# Altium PCB Thermostat_Thorlabs.PCBDOC (part 1 of 2) (continued)
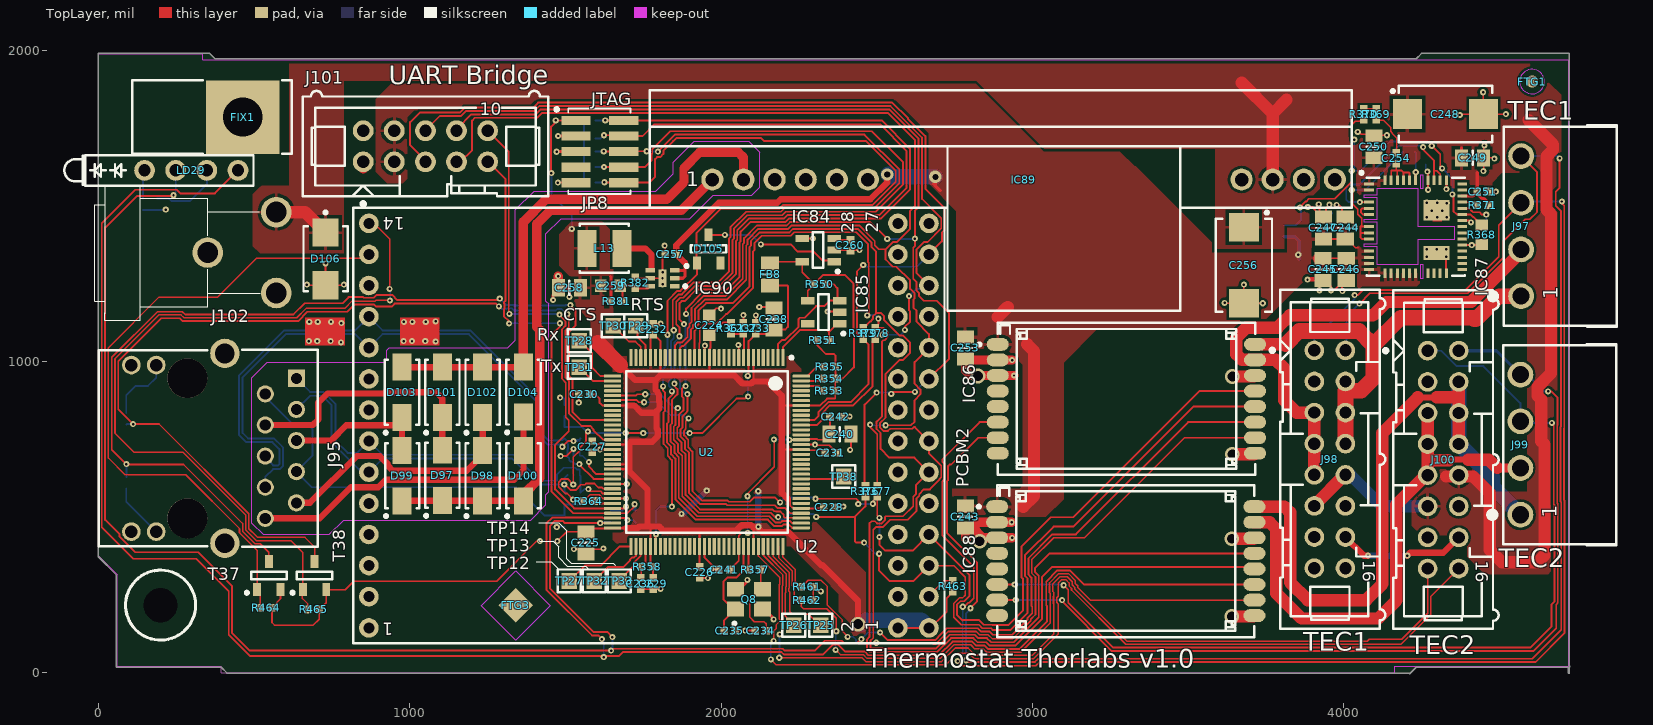
[diagram p0: TopLayer view]
## Footprints (in the part's own frame and the unit in brackets; to place one, negate y for a bottom-side part, rotate by r counter-clockwise, add the part's x,y. Pads: shape width x height; smd on the part's side, far side on the other; paste and mask are expansions set on the pad) (continued)
  silkscreen extent -7.82,-6.6 6.6,7.02, body extent -8,-8 8,8, height 1.08
PLHTD10S-TR-CV [mm] "SMT 1.27 mm dual goldpin"
  rect 0.76x2.4 smd: 1(-5.715,-1.95) 2(-5.715,1.95) 3(-4.445,-1.95) 4(-4.445,1.95) 5(-3.175,-1.95) 6(-3.175,1.95) 7(-1.905,-1.95) 8(-1.905,1.95) 9(-0.635,-1.95) 10(-0.635,1.95)
  silkscreen extent -6.7,-2.58 0.3,2.5, body extent -6.5,-2.15 0.1,2.15, height 4.5
PMB-1 [mm] "PCB fixing"
  rect 6x6 hole 3.2: 1(0,0)
  silkscreen extent -4,-3 9,3, body extent -4.5,-3 13.2,3, height 13
RESC1005X40N [mm] "Chip Resistor, EIA 0402, Metric 1005, Body 1.0x0.5mm, IPC Medium Density"
  rect 0.58x0.62 smd: 1(-0.47,0) 2(0.47,0)
  body extent -0.52,-0.27 0.53,0.28, height 0.4
RESC1608X55N [mm] "Chip Resistor, EIA 0603, Metric 1608, Body 1.6x0.8mm, IPC Medium Density"
  rect 0.9x1 smd: 1(-0.8,0) 2(0.8,0)
  body extent -0.87,-0.47 0.88,0.48, height 0.55
SILVERTEL_AG5300 [mm] "Power-over-Ethernet Plus (POE+) Module, Body L 57.3mm x W 18mm x H 14mm"
  round 1.8 hole 1.1: 1(-25.406,0) 2(-22.866,0) 3(-20.326,0) 4(-17.786,0) 5(-15.246,0) 6(-12.706,0) 7(17.786,0) 8(20.326,0) 9(22.866,0) 10(25.406,0)
  silkscreen extent -30.52,-10.7 26.78,7.3, body extent -30.52,-10.7 26.78,7.3, height 14
SON65P200X200X80-7N-R65X145 [mm] "SON, 0.65mm Pitch, 6 Pin, 2.00mm W X 2.00mm L X 0.80mm H body (W/Thermal Tab 0.65mm X 1.45mm), IPC Medium Density"
  rect 0.75x0.35 smd: 1(-1,0.65) 2(-1,0) 3(-1,-0.65) 4(1,-0.65) 5(1,0) 6(1,0.65)
  rect 0.65x1.45 smd: 7(0,0)
  silkscreen extent -1.97,0.53 -1.73,0.77, body extent -1.05,-1.05 1.05,1.05, height 0.77
SOT95P240X110-3N [mm] "SOT23 3-Leads, Pitch 0.95mm, Body 1.3x2.9mm, IPC Medium Density"
  rect 1.05x0.65 smd: 1(-1.15,0.95) 2(-1.15,-0.95) 3(1.15,0)
  silkscreen extent -1.52,-1.45 0.3,1.92, body extent -1.25,-1.5 1.25,1.5, height 1.1
SOT95P240X130-3N [mm] "SOT23 3-Leads, Pitch 0.95mm - Body 1.3x2.9mm, IPC Medium Density"
  rect 1.05x0.65 smd: 1(-1.15,0.95) 2(-1.15,-0.95) 3(1.15,0)
  silkscreen extent -1.52,-1.45 0.3,1.92, body extent -1.25,-1.5 1.25,1.5, height 1.3
SOT95P280X145-5N [mm] "SOT, 0.95mm pitch; 5 pin, 1.60mm W X 2.90mm L X 1.45mm H body, IPC Medium Density"
  rect 1.1x0.6 smd: 1(-1.3,0.95) 2(-1.3,0) 3(-1.3,-0.95) 4(1.3,-0.95) 5(1.3,0.95)
  silkscreen extent -1.73,-1.45 0.43,1.87, body extent -1.4,-1.5 1.4,1.5, height 1.45
SOTFL50P160X60-6N [mm] "SOTFL (SOT666), 0.50mm, Pitch; 6 Pin, 1.20mm W X 1.60mm L X 0.60mm H Body, IPC Medium Density"
  rect 0.57x0.3 smd: 1(-0.79,0.5) 2(-0.79,0) 3(-0.79,-0.5) 4(0.79,-0.5) 5(0.79,0) 6(0.79,0.5)
  silkscreen extent -1.22,-0.8 0,1.27, body extent -0.85,-0.85 0.85,0.85, height 0.6
SWITCHCRAFT_L712RA [mm] "CONN PWR JACK 2.5X5.5MM SOLDER"
  round 2.5 hole 1.7: 1(-5.6,-3.3) 2(0,-6.6) 3(0,0)
  silkscreen extent -14.81,-8.84 -1.32,2.21, body extent -22,-8.84 1.35,2.18, height 13.9
THORLABS_MTD415T [mm] "THORLABS MTD415T Case, 1.27mm pitch, 16 Pins, 21mm X 12.4mm X 3.10mm H Body"
  oval 1.8x1.05 smd: 1(-10.5,4.445) 2(-10.5,3.175) 3(-10.5,1.905) 4(-10.5,0.635) 5(-10.5,-0.635) 6(-10.5,-1.905) 7(-10.5,-3.175) 8(-10.5,-4.445) 9(10.5,-4.445) 10(10.5,-3.175) 11(10.5,-1.905) 12(10.5,-0.635) 13(10.5,0.635) 14(10.5,1.905) 15(10.5,3.175) 16(10.5,4.445)
  silkscreen extent -12.12,-6.2 10.5,6.2, body extent -10.5,-6.2 10.5,6.2, height 3.1
TP [mm]
  round 1.2 smd: 1(0,0)
TPS127 [mil] "1.27 x  1.27mm SMD Test Point Area"
  rect 50x50 smd paste-50: 1(0,0)
  silkscreen extent -37,-37 37,37
XTAL_NDK_NX3225GA [mm] "4 Pins, SMD Crystal, Body 2.5x3.2mm, NX3225GA Series"
  rect 1.2x1.4 smd: 1(-0.8,1.1) 2(-0.8,-1.1) 3(0.8,-1.1) 4(0.8,1.1)
  silkscreen extent -2.12,1.07 -1.88,1.32, body extent -1.25,-1.6 1.25,1.6, height 0.9

## Part data
C156 C226 C227 C228 C229 C230 C231 C232 C233 C236 C237 C239 C241 C242 C251 C254 C260: library part CC0402_100NF_16V_10%_X5R, "Non-polarised capacitor", Case=0402, Manufacturer=GENERIC, Manufacturer1 ComponentHeight=0.55mm, Manufacturer1 Example=MURATA, Manufacturer1 Part Number=GRM155R61C104KA88D, Tolerance=±10%, Voltage=16V, Author="CERN DEM JLC", Component Type=Standard, HelpURL=\\cern.ch\dfs\Applications\Altium\Datasheets\CC0402_X5R_MURATA_GRM.pdf, Manufacturer Part Number=CC0402_100NF_16V_10%_X5R, Mounted=Yes, Part Description="SMD Multilayer Chip Ceramic Capacitor", Part Number=CC0402_100NF_16V_10%_X5R, Pin Count=2, SMD=Yes, Socket=No, Status=None, TC=X5R
  C156 C226 C227 C228 C229 C230 C231 C232 C233 C236 C237 C239 C241 C242 C260: CreateDate=10.12.2013, LatestRevisionDate=10.12.2013, Sense=No
  C251 C254: CreateDate=2013-12-10, LatestRevisionDate=2013-12-10, Table="Capacitors SMD"
C224: library part CC0603_1UF_25V_10%_X7R, "Non-polarised capacitor", Case=0603, Manufacturer=GENERIC, Manufacturer1 ComponentHeight=0.9mm, Manufacturer1 Example=MURATA, Manufacturer1 Part Number=GRM188R71E105KA12D, Tolerance=±10%, Voltage=25V, Author="CERN DEM JLC", Component Type=Standard, CreateDate=2011-01-18, HelpURL=\\cern.ch\dfs\Applications\Altium\Datasheets\CC0603_X7R_MURATA.pdf, LatestRevisionDate=2011-01-18, Manufacturer Part Number=CC0603_1UF_25V_10%_X7R, Mounted=Yes, Part Description="SMD Multilayer Chip Ceramic Capacitor", Part Number=CC0603_1UF_25V_10%_X7R, Pin Count=2, SMD=Yes, Socket=No, Status=None, Table="Capacitors SMD", TC=X7R
C225 C238 C240 C243 C244 C245 C246 C247 C249 C250 C253 C258: library part CC0805_10UF_16V_10%_X5R, "Non-polarised capacitor", Case=0805, Manufacturer=GENERIC, Manufacturer1 ComponentHeight=1.4mm, Manufacturer1 Example=KEMET, Manufacturer1 Part Number=C0805C106K4PAC, Tolerance=±10%, Voltage=16V, Author="CERN DEM JLC", Component Type=Standard, CreateDate=03.12.2007, HelpURL=\\cern.ch\dfs\Applications\Altium\Datasheets\CC1206_X5R_KEMET.pdf, LatestRevisionDate=03.12.2007, Manufacturer Part Number=CC0805_10UF_16V_10%_X5R, Mounted=Yes, Part Description="SMD Multilayer Chip Ceramic Capacitor", Part Number=CC0805_10UF_16V_10%_X5R, Pin Count=2, Sense=No, SMD=Yes, Socket=No, Status=Preferred, TC=X5R
C234 C235 C255: library part CC0402_12PF_50V_5%_C0G, "Non-polarised capacitor", Case=0402, Manufacturer=GENERIC, Manufacturer1 ComponentHeight=0.55mm, Manufacturer1 Example=KEMET, Manufacturer1 Part Number=C0402C120J5GACTU, Tolerance=±5%, Voltage=50V, Author="CERN DEM JLC", Component Type=Standard, CreateDate=04.10.2016, HelpURL="\\cern.ch\dfs\Applications\Altium\Datasheets\CC0805_C0G_KEMET_(Commercial Grade).pdf", LatestRevisionDate=04.10.2016, Manufacturer Part Number=CC0402_12PF_50V_5%_C0G, Mounted=Yes, Part Description="SMD Multilayer Chip Ceramic Capacitor", Part Number=CC0402_12PF_50V_5%_C0G, Pin Count=2, Sense=No, SMD=Yes, Socket=No, Status=Preferred, TC=C0G/NP0
C248 C256: library part CTE7343-43_220UF_16V_10%, "Polarised capacitor", Case=E, Manufacturer=GENERIC, Manufacturer1 ComponentHeight=4.3mm, Manufacturer1 Example=AVX, Manufacturer1 Part Number=TAJE227K016R, Tolerance=±10%, Voltage=16V, Author="CERN DEM JLC", Component Type=Standard, CreateDate=03.12.2007, HelpURL=\\cern.ch\dfs\Applications\Altium\Datasheets\CTE_AVX_TAJ.pdf, LatestRevisionDate=03.12.2007, Manufacturer Part Number=CTE7343-43_220UF_16V_10%, Mounted=Yes, Part Description="Solid Tantalum Chip Capacitor", Part Number=CTE7343-43_220UF_16V_10%, Pin Count=2, Sense=No, SMD=Yes, Socket=No, Status=Preferred
C252: library part CC0603_1NF_100V_10%_X7R, "Non-polarised capacitor", Case=0603, Manufacturer=GENERIC, Manufacturer1 ComponentHeight=0.87mm, Manufacturer1 Example=KEMET, Manufacturer1 Part Number=C0603C102K1RACTU, Tolerance=±10%, Voltage=100V, Author="CERN DEM JLC", Component Type=Standard, CreateDate=12.12.2013, HelpURL=\\cern.ch\dfs\Applications\Altium\Datasheets\CC0603_X7R_KEMET.pdf, LatestRevisionDate=12.12.2013, Manufacturer Part Number=CC0603_1NF_100V_10%_X7R, Mounted=Yes, Part Description="SMD Multilayer Chip Ceramic Capacitor", Part Number=CC0603_1NF_100V_10%_X7R, Pin Count=2, Sense=No, SMD=Yes, Socket=No, Status=Preferred, TC=X7R
C257: library part CC0402_1UF_16V_10%_X5R, "Non-polarised capacitor", Case=0402, Manufacturer=GENERIC, Manufacturer1 ComponentHeight=0.55mm, Manufacturer1 Example=TDK, Manufacturer1 Part Number=C1005X5R1C105KT, Tolerance=±10%, Voltage=16V, Author="CERN DEM JLC", Component Type=Standard, CreateDate=25.10.2012, HelpURL=\\cern.ch\dfs\Applications\Altium\Datasheets\CC0402_X5R_TDK_C.pdf, LatestRevisionDate=25.10.2012, Manufacturer Part Number=CC0402_1UF_16V_10%_X5R, Mounted=Yes, Part Description="SMD Multilayer Chip Ceramic Capacitor", Part Number=CC0402_1UF_16V_10%_X5R, Pin Count=2, Sense=No, SMD=Yes, Socket=No, Status=Preferred, TC=X5R
C259: library part CC0603_68PF_50V_5%_NP0, "Non-polarised capacitor", Case=0603, Manufacturer=GENERIC, Manufacturer1 ComponentHeight=0.87mm, Manufacturer1 Example=PHYCOMP, Manufacturer1 Part Number=223886715689, Tolerance=±5%, Voltage=50V, Author="CERN DEM JLC", Component Type=Standard, CreateDate=03.12.2007, HelpURL=\\cern.ch\dfs\Applications\Altium\Datasheets\CC0603_NP0_PHYCOMP.pdf, LatestRevisionDate=03.12.2007, Manufacturer Part Number=CC0603_68PF_50V_5%_NP0, Mounted=Yes, Part Description="SMD Multilayer Chip Ceramic Capacitor", Part Number=CC0603_68PF_50V_5%_NP0, Pin Count=2, Sense=No, SMD=Yes, Socket=No, Status=Preferred, TC=C0G/NP0
D67: Manufacturer="ON SEMICONDUCTOR", Voltage=5.5V, Author="CERN DEM JLC", Bonding=No, ComponentHeight=1.75mm, Component Type=Standard, CreateDate=05.12.2012, Device=NUP4114UPXV6T1G, HelpURL=\\cern.ch\dfs\Applications\Altium\Datasheets\NUP4114UPXV6T1G.pdf, LatestRevisionDate=05.12.2012, Manufacturer Part Number=NUP4114UPXV6T1G, Mounted=Yes, PackageDescription="SOTFL (SOT666, SOT563,), 0.50mm, Pitch; 6 Pin, 1.20mm W X 1.60mm L X 0.60mm H Body, IPC Medium Density", Part Description="ESD Protection Diodes Array (8kV) with Low Clamping Voltage", Part Number=NUP4114UPXV6T1G, Pin Count=8, PressFit=No, Sense=No, SMD=Yes, Socket=No
D97 D98 D99 D100 D101 D102 D103 D104: "Schottky Diode", Case=DO-214AC, Manufacturer="VISHAY GENERAL SEMICONDUCTOR", Power=1A, Voltage=60V, Author="CERN DEM JLC", Bonding=No, ComponentHeight=2.29mm, Component Type=Standard, CreateDate=15.07.2008, Device=SS16, HelpURL=\\cern.ch\dfs\Applications\Altium\Datasheets\SS16.pdf, LatestRevisionDate=23.08.2010, Manufacturer Part Number=SS16, Mounted=Yes, PackageDescription="DO-214-AC Molded Diode, Body 5.1x2.7mm, IPC Medium Density", Part Description="Surface Mount Schottky Barrier Rectifier", Part Number=SS16, Pin Count=2, PressFit=No, Sense=No, SMD=Yes, Socket=No
D105: "Dual Common Cathode Schottky Diodes", Case=SOT23-3, Manufacturer="FAIRCHILD SEMICONDUCTOR", Power=200mA, Voltage=30V, Author="CERN DEM JLC", Bonding=No, ComponentHeight=1.30mm, Component Type=Standard, CreateDate=17.09.2009, Device=BAT54C, HelpURL=\\cern.ch\dfs\Applications\Altium\Datasheets\BAT54C.pdf, LatestRevisionDate=27.05.2010, Manufacturer Part Number=BAT54C, Mounted=Yes, PackageDescription="SOT23 3-Leads, Pitch 0.95mm - Body 1.3x2.9mm, IPC Medium Density", Part Description="Dual Common Cathode Small Signal Schottky Diode", Part Number=BAT54C, Pin Count=3, PressFit=No, Sense=No, SMD=Yes, Socket=No
D106: "Zener Diode", Case=DO-214AA, Manufacturer="FAIRCHILD SEMICONDUCTOR", Power=600W, Voltage=15V, Author="CERN DEM JLC", Bonding=No, ComponentHeight=2.65mm, Component Type=Standard, CreateDate=08.12.2008, Device=SMBJ15A, HelpURL=\\cern.ch\dfs\Applications\Altium\Datasheets\SMBJ.pdf, LatestRevisionDate=19.12.2011, Manufacturer Part Number=SMBJ15A, Mounted=Yes, PackageDescription="DO-214-AA/SMB Diode, Molded Body; 5.34mm L X 3.625mm W X 2.65mm H, IPC Medium Density", Part Description="Uni-Directional Transient Voltage Suppressor Diode", Part Number=SMBJ15A, Pin Count=2, PressFit=No, Sense=No, SMD=Yes, Socket=No
FB8: library part IND0805_MURATA_BLM21PG221SN1D, "Inductor", Case=0805, Manufacturer=MURATA, Manufacturer Part Number=BLM21PG221SN1D, Power=2A, Resistance=0.05R, Tolerance=±25%, Author="CERN DEM JLC", ComponentHeight=1.05mm, Component Type=Standard, CreateDate=2010-01-25, HelpURL=\\cern.ch\dfs\Applications\Altium\Datasheets\IND0402_MURATA_BLM21P.pdf, LatestRevisionDate=2010-01-25, Mounted=Yes, Part Description="SMD EMIFIL Suppression Chip Ferrite Bead", Part Number=IND0805_MURATA_BLM21PG221SN1D, Pin Count=2, SMD=Yes, Socket=No, Status=None, Table="Inductors SMD"
FIX1: library part MECH_PCB_FIX_RA, "right angle PCB fixing"
FTG1: library part FIDUCIAL_TARGET_C100-200, "Fiducial Target", Author="CERN DEM JLC", ComponentHeight=0mm, Component Type="Standard (No BOM)", CreateDate=09.02.2010, Family=Fiducial, HelpURL=Undefined, LatestRevisionDate=04.04.2012, Mounted=No, PackageDescription="Round Fiducial Target, Top Layer, 1.0mm, Top Solder 2.0mm, Keepout =2.0mm", Part Description="Round Fiducial Target, Top Layer, 1.0mm, Top Solder 2.0mm, Keepout =2.0mm", Part Number=FIDUCIAL_TARGET_C100-200, Pin Count=1, Sense=No, SMD=Yes, Socket=No, Status=None
FTG2 FTG4: library part FIDUCIAL_TARGET_S100-200, "Fiducial Target", Author="CERN DEM JLC", ComponentHeight=0mm, Component Type="Standard (No BOM)", CreateDate=09.02.2010, Family=Fiducial, HelpURL=Undefined, LatestRevisionDate=04.04.2012, Mounted=No, PackageDescription="Square Fiducial Target, Top Layer, 1.0mm, Top Solder 2.0mm, Keepout =2.0mm", Part Description="Square Fiducial Target, Top Layer, 1.0mm, Top Solder 2.0mm, Keepout =2.0mm", Part Number=FIDUCIAL_TARGET_S100-200, Pin Count=1, Sense=No, SMD=Yes, Socket=No, Status=None
FTG3: library part FIDUCIAL_TARGET_S200-400, "Fiducial Target", Author="CERN DEM JLC", ComponentHeight=0mm, Component Type="Standard (No BOM)", CreateDate=02.06.2008, Family=Fiducial, HelpURL=Undefined, LatestRevisionDate=04.04.2012, Mounted=No, PackageDescription="Square Fiducial Target, Top Layer, 2.0mm, Top Solder 4.0mm, Keepout =4.0mm", Part Description="Square Fiducial Target, Top Layer, 2.0mm, Top Solder 4.0mm, Keepout =4.0mm", Part Number=FIDUCIAL_TARGET_S200-400, Pin Count=1, Sense=No, SMD=Yes, Socket=No, Status=None
IC84: "Free Delay Time Setting  CMOS Voltage Detector", Case=SOT23-5, Manufacturer=Rohm, Author=GK, Bonding=No, ComponentHeight=1.45mm, Component Type=Standard, CreateDate=02.03.2015, Device=BD5230FVE-TR, HelpURL=\\cern.ch\dfs\Applications\Altium\Datasheets\TPS3808G50DBVT.pdf, LatestRevisionDate=02.03.2015, Manufacturer Part Number=BD5230FVE-TR, Mounted=Yes, PackageDescription="SOT23, 5-Leads, Body 1.6x3.0mm, Pitch 0.95mm, IPC Medium Density", Part Description="5V, Low Quiescent Current, Programmable-Delay Supervisory Circuit", Part Number=BD5230FVE-TR, Pin Count=5, PressFit=No, Sense=No, SMD=Yes, Socket=No
IC85: "1.7V-5.5V, 2K I2C Serial EEPROM With EUI-48 Node Identity", Case=SOT23-5, Manufacturer="MICROCHIP TECHNOLOGY", Author="CERN DEM MR", Bonding=No, ComponentHeight=1.45mm, Component Type=Standard, CreateDate=31.03.2016, Device=24AA02E48T-I/OT, HelpURL=\\cern.ch\dfs\Applications\Altium\Datasheets\24AA02E48T-I-OT.pdf, LatestRevisionDate=31.03.2016, Manufacturer Part Number=24AA02E48T-I/OT, Mounted=Yes, PackageDescription="SOT, 0.95mm pitch; 5 pin, 1.60mm W X 2.90mm L X 1.45mm H body, IPC Medium Density", Part Description="1.7V-5.5V, 2K I2C Serial EEPROM With EUI-48 Node Identity", Part Number=24AA02E48T-I/OT, Pin Count=5, PressFit=No, Sense=No, SMD=Yes, Socket=No
IC86 IC88: "Miniature Temperature Controller, ±1.5 A, Compatible with 10 kO Thermistor", Manufacturer=THORLABS, Author="CERN DEM MR", Bonding=No, ComponentHeight=3.1mm, ComponentLink1Description="Package Drawing", ComponentLink1URL=\\cern.ch\dfs\Applications\Altium\Datasheets\MTD415T_Package.pdf, Component Type=Standard, CreateDate=16.02.2018, Device=MTD415T, HelpURL=\\cern.ch\dfs\Applications\Altium\Datasheets\MTD415T.pdf, LatestRevisionDate=16.02.2018, Manufacturer Part Number=MTD415T, Mounted=Yes, PackageDescription="THORLABS MTD415T Case, 1.27mm pitch, 16 Pins, 21mm X 12.4mm X 3.10mm H Body", Part Description="Miniature Temperature Controller, ±1.5 A, Compatible with 10 kO Thermistor", Part Number=MTD415T, Pin Count=16, PressFit=No, Sense=No, SMD=Yes, Socket=No
IC87: "0.8V to 85% PVIN (4.75-19V), 6A Synchronous Step-Down Regulator Module", Manufacturer="MICROCHIP TECHNOLOGY", Author="CERN DEM JMW", Bonding=No, ComponentHeight=3mm, Component Type=Standard, CreateDate=15.08.2016, Device=MIC45116-1YMP, HelpURL=\\cern.ch\dfs\Applications\Altium\Datasheets\MIC45116-1YMP.pdf, LatestRevisionDate=15.08.2016, Manufacturer Part Number=MIC45116-1YMP, Mounted=Yes, PackageDescription="MICROCHIP_H3QFN88-52LD-PL-3, 0.50mm Pitch, Square, 52 Pin, 8mm L X 8mm W X 3mm H Body", Part Description="0.8V to 85% PVIN (4.75-19V), 6A Synchronous Step-Down Regulator Module", Part Number=MIC45116-1YMP, Pin Count=53, PressFit=No, Sense=No, SMD=Yes, Socket=No
IC89: "Power-over-Ethernet Plus (POE+) Module", Manufacturer=SILVERTEL, Author="CERN DEM JLC", Bonding=No, ComponentHeight=14mm, Component Type=Standard, CreateDate=20.03.2018, Device=AG5300, HelpURL=\\cern.ch\dfs\Applications\Altium\Datasheets\AG5300.pdf, LatestRevisionDate=20.03.2018, Manufacturer Part Number=AG5300, Mounted=Yes, PackageDescription="Power-over-Ethernet Plus (POE+) Module, Body L 57.3mm x W 18mm x H 14mm", Part Description="12V 30W Power-over-Ethernet Plus (POE+)", Part Number=AG5300, Pin Count=10, PressFit=No, Sense=No, SMD=No, Socket=No
IC90: "0V to 6V Input, 1A, 1.5MHz, Step-Down DC-DC Converter", Case=SON6, Manufacturer="DIODES INCORPORATED", Author="CERN DEM MR", Bonding=No, ComponentHeight=0.8mm, Component Type=Standard, CreateDate=15.02.2018, Device=AUR9705AGD, HelpURL=\\cern.ch\dfs\Applications\Altium\Datasheets\AUR9705AGD.pdf, LatestRevisionDate=15.02.2018, Manufacturer Part Number=AUR9705AGD, Mounted=Yes, PackageDescription="SON, 0.65mm Pitch, 6 Pin, 2.00mm W X 2.00mm L X 0.80mm H body (W/Thermal Tab 0.65mm X 1.45mm), IPC Medium Density", Part Description="0V to 6V Input, 1A, 1.5MHz, Step-Down DC-DC Converter", Part Number=AUR9705AGD, Pin Count=7, PressFit=No, Sense=No, SMD=Yes, Socket=No
J95: "MagJack 10/100BaseT, PoE+, 1X1, OG/Y, -40 to 85*C, Tab Up, RoHS", Manufacturer=Abracon, Manufacturer Part Number=ARJM11C7-114-BA-EW2, Author=GK, ComponentHeight=13.61mm, Component Type=Standard, CreateDate=05.11.2012, Family=RJ45, HelpURL=\\cern.ch\dfs\Applications\Altium\Datasheets\BELFUSE_0826-1X1T-GJ-F.pdf, LatestRevisionDate=05.11.2012, Mounted=Yes, Part Description="1 Port, Orange Green/Yellow LEDs, RJ45 10/100BaseT, PoE, Ethernet MagJack® Connector Module", Part Number=ARJM11C7-114-BA-EW2, Pin Count=18, PressFit=No, Sense=No, SMD=No, Socket=No, Status=None
J97 J99: library part FCI_20020110-D041A01LF, "Connector 4 Male", Manufacturer=FCI, Manufacturer Part Number=20020110-D041A01LF, Author="CERN DEM JLC", ComponentHeight=7.5mm, Component Type=Standard, CreateDate=08.04.2014, HelpURL=\\cern.ch\dfs\Applications\Altium\Datasheets\FCI_20020110-D041A01LF.pdf, LatestRevisionDate=08.04.2014, Mounted=Yes, Part Description="10A, 300V, 4 Positions, Pitch 3.81mm, Right Angled Terminal Block", Part Number=FCI_20020110-D041A01LF, Pin Count=4, PressFit=No, Sense=No, SMD=No, Socket=No, Status=None
J98 J100: library part 3M_N2516-6002RB, "Connector 16 Male", Manufacturer=3M, Manufacturer Part Number=N2516-6002RB, Author="CERN DEM JLC", ComponentHeight=10.03mm, Component Type=Standard, CreateDate=11.02.2009, Family="Header 16", HelpURL=\\cern.ch\dfs\Applications\Altium\Datasheets\3M_N2516-6002RB.pdf, LatestRevisionDate=11.08.2009, Mounted=Yes, Part Description="16 Contacts - Straight .100'' x .100'' Low Profile Four-Wall Header, 2500 Series", Part Number=3M_N2516-6002RB, Pin Count=16, PressFit=No, Sense=No, SMD=No, Socket=No, Status=None
J101: library part 3M_N2510-6002RB, "Connector 10 Male", Manufacturer=3M, Manufacturer Part Number=N2510-6002RB, Author="CERN DEM JLC", ComponentHeight=10.03mm, Component Type=Standard, CreateDate=11.02.2009, Family="Header 10", HelpURL=\\cern.ch\dfs\Applications\Altium\Datasheets\3M_N2510-6002RB.pdf, LatestRevisionDate=11.08.2009, Mounted=Yes, Part Description="10 Contacts - Straight .100'' x .100'' Low Profile Four-Wall Header, 2500 Series", Part Number=3M_N2510-6002RB, Pin Count=10, PressFit=No, Sense=No, SMD=No, Socket=No, Status=None
J102: "24V /3. 5A, 2.1mm Diameter Pin, SMD DC Power Supply Connector With  Break Contact", Manufacturer=SWITCHCRAFT, Manufacturer Part Number=712RA, Part Number=SWITCHCRAFT_712RA, Author=GK, ComponentHeight=11mm, Component Type=Standard, CreateDate=15.02.2011, Family=Jack, HelpURL=\\cern.ch\dfs\Applications\Altium\Datasheets\LUMBERG_161314.pdf, LatestRevisionDate=20.07.2011, Mounted=Yes, Part Description="12V/5A, 2.5mm Diameter Pin, THT DC Power Supply Connector With  Break Contact", Pin Count=3, PressFit=No, Sense=No, SMD=No, Socket=No, Status=None
JP8: library part "CON_2x5 1.27 SMT Male", "1.27 mm dual row goldpin (Maritex)"
L13: library part IND_2.2UH_20%_MURATA_LQH44PN2R2MP0L, "Inductor With Core", Case=4040, Manufacturer=MURATA, Manufacturer Part Number=LQH44PN2R2MP0L, Power=1.8A, Resistance=0R049, Tolerance=±20%, Author="CERN DEM JLC", ComponentHeight=1.8mm, Component Type=Standard, CreateDate=14.02.2018, HelpURL=\\cern.ch\dfs\Applications\Altium\Datasheets\IND_MURATA_LQH44PN_P0.pdf, LatestRevisionDate=14.02.2018, Mounted=Yes, Part Description="Wire Wound Ferrite Inductor for Power Lines", Part Number=IND_2.2UH_20%_MURATA_LQH44PN2R2MP0L, Pin Count=2, Sense=No, SMD=Yes, Socket=No, Status=None
LD29: library part LED_DIALIGHT_571-0122F, "LED x2 Green 1C2A-BOT_3C4A-TOP", Manufacturer=DIALIGHT, Manufacturer Part Number=571-0122F, Author="CERN DEM JLC", Bonding=No, Color=Green/Green, ComponentHeight=8.6mm, Component Type=Standard, CreateDate=09.11.2009, HelpURL=\\cern.ch\dfs\Applications\Altium\Datasheets\LED_DIALIGHT_571-0122F.pdf, LatestRevisionDate=17.03.2010, Mounted=Yes, PackageDescription="2x 2mm Red LED PCB Edge Mounting (Without positioning pins) DIALIGHT 571 Serie", Part Description="Dual 2mm Green LEDs CBI® Circuit Board Indicator (Without positioning pins)", Part Number=LED_DIALIGHT_571-0122F, Pin Count=4, PressFit=No, Sense=No, SMD=No, Socket=No
PCBM2: library part PCBM_WIZNET_WIZ140SR_a, "Quad Serial to Ethernet Module Based on W5300 & Cortex-M3", Manufacturer=WIZNET, Author="CERN DEM JLC", Bonding=No, ComponentHeight=11.33mm, Component Type=Standard, CreateDate=26.03.2018, Device=WIZ140SR, HelpURL=\\cern.ch\dfs\Applications\Altium\Datasheets\PCBM_WIZNET_WIZ140SR.pdf, LatestRevisionDate=26.03.2018, Manufacturer Part Number=WIZ140SR, Mounted=Yes, PackageDescription="Quad Serial to Ethernet Module Body 48.26mm x 35.56mm", Part Description="Quad Serial to Ethernet Module Based on W5300 & Cortex-M3", Part Number=PCBM_WIZNET_WIZ140SR_a, Pin Count=42, PressFit=No, Sense=No, SMD=No, Socket=No
Q8: library part XTAL_25MHZ_NDK_NX3225GA, "Crystal 4 pins 1=XTAL Control 2=GND3=XTAL 4=GND", Manufacturer=NDK, Manufacturer Part Number=NX3225GA-25.000M-STD-CRG, Author="CERN DEM MR", Bonding=No, ComponentHeight=0.9mm, Component Type=Standard, CreateDate=15.02.2018, HelpURL=\\cern.ch\dfs\Applications\Altium\Datasheets\XTAL_NDK_NX3225GA.pdf, LatestRevisionDate=15.02.2018, Mounted=Yes, PackageDescription="4 Pins, SMD Crystal, Body 2.5x3.2mm, NX3225GA Series", Part Description="Tolerance: ± 20ppm, Stability: ± 30ppm, -40°C to +85°C, 8pF, 50 Ohms ESR, Automotive Quartz Crystal, NX3225GA Series", Part Number=XTAL_25MHZ_NDK_NX3225GA, Pin Count=4, PressFit=No, Sense=No, SMD=Yes, Socket=No
R346 R347 R348 R349 R358 R361: library part R0402_49R9_1%_0.0625W_100PPM, "Resistor - 1%", Case=0402, Manufacturer=GENERIC, Manufacturer1 ComponentHeight=0.4mm, Manufacturer1 Example="YAGEO PHYCOMP", Manufacturer1 Part Number="232270674999L or RC0402FR-0749R9L", Power=0.0625W, Tolerance=±1%, Author="CERN DEM JLC", Component Type=Standard, CreateDate=2012-10-24, HelpURL=\\cern.ch\dfs\Applications\Altium\Datasheets\R0402_Phycomp_RC0402.pdf, LatestRevisionDate=2012-10-24, Manufacturer Part Number=R0402_49R9_1%_0.0625W_100PPM, Mounted=Yes, Part Description="General Purpose Thick Film Chip Resistor", Part Number=R0402_49R9_1%_0.0625W_100PPM, Pin Count=2, SMD=Yes, Socket=No, Status="Not recommended", Table="Resistors SMD", TC=±100ppm/°C
R350 R351 R357 R374 R375 R376 R377 R378 R379: library part R0402_2K_1%_0.0625W_100PPM, "Resistor - 1%", Case=0402, Manufacturer=GENERIC, Manufacturer1 ComponentHeight=0.4mm, Manufacturer1 Example="YAGEO PHYCOMP", Manufacturer1 Part Number=232270672002L, Power=0.0625W, Tolerance=±1%, Author="CERN DEM JLC", Component Type=Standard, CreateDate=03.12.2007, HelpURL=\\cern.ch\dfs\Applications\Altium\Datasheets\R0402_Phycomp_RC0402.pdf, LatestRevisionDate=17.10.2012, Manufacturer Part Number=R0402_2K_1%_0.0625W_100PPM, Mounted=Yes, Part Description="General Purpose Thick Film Chip Resistor", Part Number=R0402_2K_1%_0.0625W_100PPM, Pin Count=2, PressFit=No, Sense=No, SMD=Yes, Socket=No, Status="Not Recommended", TC=±100ppm/°C
R352 R356: library part R0402_330R_1%_0.0625W_100PPM, "Resistor - 1%", Case=0402, Manufacturer=GENERIC, Manufacturer1 ComponentHeight=0.4mm, Manufacturer1 Example="YAGEO PHYCOMP", Manufacturer1 Part Number=232270673301L, Power=0.0625W, Tolerance=±1%, Author="CERN DEM JLC", Component Type=Standard, CreateDate=03.12.2007, HelpURL=\\cern.ch\dfs\Applications\Altium\Datasheets\R0402_Phycomp_RC0402.pdf, LatestRevisionDate=17.10.2012, Manufacturer Part Number=R0402_330R_1%_0.0625W_100PPM, Mounted=Yes, Part Description="General Purpose Thick Film Chip Resistor", Part Number=R0402_330R_1%_0.0625W_100PPM, Pin Count=2, PressFit=No, Sense=No, SMD=Yes, Socket=No, Status="Not Recommended", TC=±100ppm/°C
R353 R354 R355 R359 R360 R362 R363 R365 R369 R370: library part R0402_10K_1%_0.0625W_100PPM, "Resistor - 1%", Case=0402, Manufacturer=GENERIC, Manufacturer1 ComponentHeight=0.4mm, Manufacturer1 Example="YAGEO PHYCOMP", Manufacturer1 Part Number=232270671003L, Power=0.0625W, Tolerance=±1%, Author="CERN DEM JLC", Component Type=Standard, CreateDate=2007-12-03, HelpURL=\\cern.ch\dfs\Applications\Altium\Datasheets\R0402_Phycomp_RC0402.pdf, LatestRevisionDate=2012-10-17, Manufacturer Part Number=R0402_10K_1%_0.0625W_100PPM, Mounted=Yes, Part Description="General Purpose Thick Film Chip Resistor", Part Number=R0402_10K_1%_0.0625W_100PPM, Pin Count=2, SMD=Yes, Socket=No, Status="Not recommended", Table="Resistors SMD", TC=±100ppm/°C
R364: library part R0402_4K87_1%_0.0625W_100PPM, "Resistor - 1%", Case=0402, Manufacturer=GENERIC, Manufacturer1 ComponentHeight=0.4mm, Manufacturer1 Example=VISHAY, Manufacturer1 Part Number=CRCW04024K87FKED, Power=0.0625W, Tolerance=±1%, Author="CERN DEM JLC", Component Type=Standard, CreateDate=04.11.2014, HelpURL="\\cern.ch\dfs\Applications\Altium\Datasheets\R0402_VISHAY_CRCW e3.pdf", LatestRevisionDate=04.11.2014, Manufacturer Part Number=R0402_4K87_1%_0.0625W_100PPM, Mounted=Yes, Part Description="General Purpose Thick Film Chip Resistor", Part Number=R0402_4K87_1%_0.0625W_100PPM, Pin Count=2, PressFit=No, Sense=No, SMD=Yes, Socket=No, Status=None, TC=±100ppm/°C
R366 R371 R372 R373 R461 R462: library part R0402_1K6_1%_0.0625W_100PPM, "Resistor - 1%", Case=0402, Manufacturer=GENERIC, Manufacturer1 ComponentHeight=0.4mm, Manufacturer1 Example="YAGEO PHYCOMP", Manufacturer1 Part Number=232270671602L, Power=0.0625W, Tolerance=±1%, Author="CERN DEM JLC", Component Type=Standard, CreateDate=03.12.2007, HelpURL=\\cern.ch\dfs\Applications\Altium\Datasheets\R0402_Phycomp_RC0402.pdf, LatestRevisionDate=17.10.2012, Manufacturer Part Number=R0402_1K6_1%_0.0625W_100PPM, Mounted=Yes, Part Description="General Purpose Thick Film Chip Resistor", Part Number=R0402_1K6_1%_0.0625W_100PPM, Pin Count=2, PressFit=No, Sense=No, SMD=Yes, Socket=No, Status="Not Recommended", TC=±100ppm/°C
R367: library part R0402_6K8_1%_0.0625W_100PPM, "Resistor - 1%", Case=0402, Manufacturer=GENERIC, Manufacturer1 ComponentHeight=0.4mm, Manufacturer1 Example="YAGEO PHYCOMP", Manufacturer1 Part Number=232270676802L, Power=0.0625W, Tolerance=±1%, Author="CERN DEM JLC", Component Type=Standard, CreateDate=03.12.2007, HelpURL=\\cern.ch\dfs\Applications\Altium\Datasheets\R0402_Phycomp_RC0402.pdf, LatestRevisionDate=17.10.2012, Manufacturer Part Number=R0402_6K8_1%_0.0625W_100PPM, Mounted=Yes, Part Description="General Purpose Thick Film Chip Resistor", Part Number=R0402_6K8_1%_0.0625W_100PPM, Pin Count=2, PressFit=No, Sense=No, SMD=Yes, Socket=No, Status="Not Recommended", TC=±100ppm/°C
R368: library part R0603_1K3_1%_0.1W_100PPM, "Resistor - 1%", Case=0603, Manufacturer=GENERIC, Manufacturer1 ComponentHeight=0.55mm, Manufacturer1 Example="NIC COMPONENT", Manufacturer1 Part Number=NRC06F1301TRF, Power=0.1W, Tolerance=±1%, Author="CERN DEM JLC", Component Type=Standard, CreateDate=03.12.2007, HelpURL=\\cern.ch\dfs\Applications\Altium\Datasheets\R0603_NIC_NRC.pdf, LatestRevisionDate=13.03.2008, Manufacturer Part Number=R0603_1K3_1%_0.1W_100PPM, Mounted=Yes, Part Description="General Purpose Thick Film Chip Resistor", Part Number=R0603_1K3_1%_0.1W_100PPM, Pin Count=2, PressFit=No, Sense=No, SMD=Yes, Socket=No, Status=Preferred, TC=±100ppm/°C
R381: library part R0402_100K_1%_0.0625W_100PPM, "Resistor - 1%", Case=0402, Manufacturer=GENERIC, Manufacturer1 ComponentHeight=0.4mm, Manufacturer1 Example="YAGEO PHYCOMP", Manufacturer1 Part Number=232270671004L, Power=0.0625W, Tolerance=±1%, Author="CERN DEM JLC", Component Type=Standard, CreateDate=03.12.2007, HelpURL=\\cern.ch\dfs\Applications\Altium\Datasheets\R0402_Phycomp_RC0402.pdf, LatestRevisionDate=17.10.2012, Manufacturer Part Number=R0402_100K_1%_0.0625W_100PPM, Mounted=Yes, Part Description="General Purpose Thick Film Chip Resistor", Part Number=R0402_100K_1%_0.0625W_100PPM, Pin Count=2, PressFit=No, Sense=No, SMD=Yes, Socket=No, Status="Not Recommended", TC=±100ppm/°C
R382 R463 R464 R465: library part R0402_22K_1%_0.0625W_100PPM, "Resistor - 1%", Case=0402, Manufacturer=GENERIC, Manufacturer1 ComponentHeight=0.4mm, Manufacturer1 Example="YAGEO PHYCOMP", Manufacturer1 Part Number=232270672203L, Power=0.0625W, Tolerance=±1%, Author="CERN DEM JLC", Component Type=Standard, CreateDate=03.12.2007, HelpURL=\\cern.ch\dfs\Applications\Altium\Datasheets\R0402_Phycomp_RC0402.pdf, LatestRevisionDate=17.10.2012, Manufacturer Part Number=R0402_22K_1%_0.0625W_100PPM, Mounted=Yes, Part Description="General Purpose Thick Film Chip Resistor", Part Number=R0402_22K_1%_0.0625W_100PPM, Pin Count=2, PressFit=No, Sense=No, SMD=Yes, Socket=No, Status="Not Recommended", TC=±100ppm/°C
T37 T38: "P-CHANNEL MOSFET WITH DIODE", Case=SOT23-3, Manufacturer="ON SEMICONDUCTOR", Author="CERN DEM JLC", Bonding=No, ComponentHeight=1.1mm, Component Type=Standard, CreateDate=29.03.2012, Device=BSS84LT1G, HelpURL=\\cern.ch\dfs\Applications\Altium\Datasheets\BSS84LT1G.pdf, LatestRevisionDate=29.03.2012, Manufacturer Part Number=BSS84LT1G, Mounted=Yes, PackageDescription="SOT23 3-Leads, Pitch 0.95mm - Body 1.4x3mm, IPC Medium Density", Part Description="50V 130mA Single P-Channel Power MOSFET", Part Number=BSS84LT1G, Pin Count=3, PressFit=No, Sense=No, SMD=Yes, Socket=No
TP25 TP26 TP27 TP28 TP29 TP30 TP31 TP32 TP33 TP38: library part SMD_PAD_1.27X1.27MM, Author="CERN DEM JLC", ComponentHeight=0mm, Component Type="Standard (No BOM)", CreateDate=12.01.2008, Family="Test Point", HelpURL=Undefined, LatestRevisionDate=12.01.2008, Mounted=No, PackageDescription="1.27mm x 1.27mm PCB Copper Area (SMD Test Point)", Part Description="1.27mm x 1.27mm PCB Copper Area (SMD Test Point)", Part Number=SMD_PAD_1.27X1.27MM, Pin Count=1, Sense=No, SMD=Yes, Socket=No, Status=None
TP34 TP35: "Testpoint"
U2: library part CMP-0945-00009-2, "Tiva C Series Microcontroller, 1024 KB Flash, 256 KB SRAM, 12 Bit, 20 Channels, -40 to 105 degC, 128-Pin TQFP (PDT), Green (RoHS & no Sb/Br), Tape and Reel", Manufacturer="Texas Instruments", Temperature Range="-40 to 105 degC", ADC Channels=20, ADC Resolution="12 Bits", ComponentLink1Description="Manufacturer URL", ComponentLink1URL=http://www.ti.com/, ComponentLink2Description=Datasheet, ComponentLink2URL=http://www.ti.com/lit/ds/symlink/tm4c1294ncpdt.pdf, ComponentLink3Description="Package Specification", ComponentLink3URL=http://www.ti.com/lit/ml/mpqf013/mpqf013.pdf, CPU="ARM Cortex-M4", DatasheetVersion=15863.2743, Eco-Plan="Green (RoHS & no Sb/Br)", Flash="1024 KB", Max Speed="120 MHz", Mounting Technology="Surface Mount", PackageDescription="128-Pin Thin Quad Flat Package, Body 14 x 14 mm, Pitch 0.4 mm", PackageReference=PDT0128A, PackageVersion=4087726/A, Packing="Tape and Reel", PartNumber=TM4C1294NCPDTT3R, SRAM="256 KB"

## Free pads (board coordinates)
  round 50 hole 110: 2(199.06,217)

## Via types
v1: diameter 19.68, hole 7.87, TopLayer to BottomLayer, tented both sides, 241 vias
v2: diameter 47.24, hole 31.5, TopLayer to BottomLayer, tented both sides, 7 vias
v3: diameter 39.37, hole 19.68, TopLayer to BottomLayer, tented both sides, 2 vias

## Nets (pads, with @x,y where several pads share a name; then routed paths per layer and width w, separated by ;. In a path a pad name is that pad's centre, name@x,y a point inside that pad or via, vN(x,y) a via of type N, cw(c..) or ccw(c..) an arc to the next point about the centre after c; other vN are vias at no path point)
ACTLEDn: PCBM2.J2-14 R465.1 T38.1 | length 2501.1
  TopLayer w5: T38.1@655,268 655,238 672.5,220.5 R465.1@672.5,203 ; T38.1@656.6,266.72 656.6,385.4 617.38,424.62 506.23,424.62 472.66,458.2 472.66,506.48 270.14,709 113,709 52.5,769.5 52.5,1008.5 193.5,1149.5 265,1149.5 274,1140.5 636.61,1140.5 666.61,1170.5 790.5,1170.5 814.1,1194.1 888.9,1194.1 891.3,1196.5 935.5,1196.5 v1(936,1196) ; PCBM2.J2-14@866,1446 883,1446 936,1393 935,1392 v1(935,1233)
  BottomLayer w5: v1(935,1233) 935,1239 937,1241 937,1194 936,1195 v1(936,1196)
AVDDT_PHY: C156.1 C233.2 C238.1 C239.2 D67.5 FB8.2 J95.4 J95.9 R346.2 R347.2 R348.1 R349.1 U2.8 | length 2962
  TopLayer w6: v1(1525,556) 1505.25,575.75 1499.89,575.75 1478.44,597.2 1478.44,611.99 1488.89,622.44 1507.38,622.44 v1(1525.23,604.6) 1525.23,692.99 1547.6,715.37 1547.6,723.89 1565.8,742.08 1565.8,768.8 v1(1572,775) ; v1(1694,770) v1(1750,770) ; v1(1899,770) 1939,770 2050,881 2078,881 2087,890 v1(2087,887) ; v1(2086,953.84) 2088.54,956.38 U2.8@2088.54,1012.22 2088.54,1065.21 C233.2@2112,1088.68 2158.11,1088.68 C238.1@2170,1100.57 2172.2,1102.77 2206.77,1102.77 2215,1111 2215,1243.51 2214.4,1244.11 FB8.2@2157.71,1244.11
  BottomLayer w6: J95.9@535.43,895.87 535.43,886.57 626,796 674,796 687,783 687,697.43 J95.4@635.43,645.87 685.43,595.87 1342.13,595.87 1433.46,504.54 C156.1@1496.69,504.54 R346.2@1496.69,540.96 R347.2@1548.25,540.96 1533.22,556 v1(1525,556) ; C239.2@1496.69,825.21 R348.1@1496.69,789.98 R349.1@1548.25,789.98 1552.39,789.98 1568.85,773.51 1570.34,775 v1(1572,775) 1576.83,770.17 1587,770.17 1587.17,770 v1(1694,770) ; v1(1525.23,604.6) 1525.23,636.04 D67.5@1526.21,635.06 ; v1(1750,770) v1(1899,770) ; v1(2086,953.84) 2086,888 v1(2087,887)
CTS: TP30.1 U2.30 | length 152
  TopLayer w6: TP30.1@1653,1115 1703.85,1064.15 1724.85,1064.15 1742.08,1046.92 U2.30@1742.08,1012.22
EN0: IC86.10 R461.1 U2.96 | length 2184.1
  TopLayer w5: U2.96@2198.77,405.92 2198.77,370.8 2239,330.57 2239,293 R461.1@2257,275 ; R461.1@2258.99,276 2279.99,297 2321.53,297 2342,276.53 2342,217 2390,169 2390,133 v1@2406,117 ; v1@2406,115 v1(2407,115) ; v1(2499,96) 2500.9,94.1 2679.9,94.1 2683,91 2689,91 2730.34,132.34 2820.14,132.34 2831.14,121.34 2859,121.34 2872,108.34 2936.62,108.34 2995.46,167.19 2995.46,171.54 3010.5,186.57 3010.5,307.5 2998,320 2998,362.47 3069.4,433.88 3167.88,433.88 3489,755 IC86.10@3716.07,755
  BottomLayer w5: v1@2410,115 2425,115 2433.66,106.34 2433.66,100.82 2443.82,90.66 2493.66,90.66 v1(2499,96)
EN1: IC88.10 R462.1 U2.95 | length 2076.4
  TopLayer w5: U2.95@2183.03,405.92 2185,403.95 2185,370.43 2229,326.43 2229,280 2236,273 2236,235 2241,230 R462.1@2255,230 ; R462.1@2258.5,233 2258.5,211.5 2265,205 2339.86,205 2370,174.86 2370,134 v1(2371,133) ; v1@2370,72 2384,58 2456.81,58 2469.15,45.66 2704.66,45.66 2748.34,89.34 2802.33,89.34 2815.33,76.34 2843.19,76.34 2854.19,65.34 2963.19,65.34 3058.5,160.65 3058.5,217.9 ; 3058.48,217.92 3058.48,248.86 ; 3058.5,248.88 3058.5,254.74 3055.57,257.67 3055.57,288.38 3085.53,318.34 3116.47,318.34 3138.34,296.47 3138.34,286.79 3146.16,278.97 3146.16,273.84 3186.61,233.39 IC88.10@3714.15,233.39
  BottomLayer w5: v1(2368,73) 2368,130 v1(2371,133)
ETH_Rx0: IC86.12 PCBM2.J1-5 R376.1 U2.37 | length 3307
  TopLayer w5: PCBM2.J1-5@2668.19,344.09 2747.91,344.09 2785,307 2785,249 2776.18,240.19 2765.19,240.19 2747.66,222.66 2747.66,178.34 2772,154
  TopLayer w6: U2.37@1651.53,890.17 1726.59,890.17 1731.02,894.61 v1(1756.31,894.61) ; v1@1858.13,850 1853.48,845.35 1853.48,796.38 1848.16,791.06 1848.16,748.94 1861.69,735.4 1861.69,710.56 1875.27,696.99 1875.27,566.49 1927.92,513.84 2160.01,513.84 2173.7,500.16 2183.38,500.16 v1(2183.69,499.84) ; v1(2306,500.73) 2430.41,500.73 ; v1(2459.57,418.18) 2434.82,418.18 2430.41,422.59 2430.41,500.73 ; R376.1@2464.21,564.3 2464.21,534.53 2430.41,500.73 ; v1(2508,382) 2508,327.74 2541.74,294 2618.1,294 PCBM2.J1-5@2668.19,344.09 ; 2772,153.84 2829.04,153.84 2840.04,142.84 2867.91,142.84 2873.91,136.84 2929.06,136.84 2985,192.79 2985,302.59 2976.5,311.09 2976.5,377.03 3068.96,469.49 3132.49,469.49 3518,855 IC86.12@3716.07,855
  BottomLayer w6: v1(1756.31,894.61) 1804.41,894.61 1806.44,892.58 1806.87,893 1849.87,850 v1(1861,850) ; v1@2184.69,492.58 2204.81,492.58 2219.84,507.61 2219.84,507.93 2221.91,510 2296.73,510 v1(2306,500.73) ; v1(2459.57,418.18) 2495.75,382 v1(2508,382)
ETH_Rx1: IC88.12 PCBM2.J1-11 R378.1 U2.18 | length 3972.7
  TopLayer w6: U2.18@1931.06,1012.22 1930.16,1013.12 1930.16,1058.39 1931.84,1060.08 1931.84,1104.44 1948.59,1121.19 1985,1121.19 2015.97,1152.16 2018.16,1152.16 2103,1237 2103,1354 2107.16,1358.16 2107.16,1380.38 2130.78,1404 2224.64,1404 2235.85,1415.21 2434.79,1415.21 2472,1378 2472,1320.23 2474.84,1317.39 2474.84,1152.65 2470.19,1148 v1(2470,1148) ; v1(2505.94,1138) 2505.94,1119.44 R378.1@2495,1108.5 2498.11,1105.39 2504.85,1105.39 2507.29,1107.84 2521.39,1107.84 2535.84,1093.39 2535.84,1078.61 2525.39,1068.16 2520.84,1068.16 2517.69,1065.01 2517.69,907.54 2517.84,907.39 2517.84,892.61 2517.69,892.46 2517.69,824.48 2500.16,806.95 2500.16,783.05 2513.01,770.2 2513.01,718.99 2541,691 2621.28,691 PCBM2.J1-11@2668.19,644.09 2626,601.9 2626,573.31 2617.69,565.01 2617.69,535.47 2584.83,502.6 2529.66,502.6 2526.84,499.79 2526.84,490.11 2516.39,479.66 2501.61,479.66 2494.77,486.5 2483.9,486.5 2477,479.6 2477,425.98 2477.41,425.57 2477.41,410.79 2477,410.38 2477,114.79 2469.16,106.95 2469.16,76.05 2478.05,67.16 2695.56,67.16 2739.25,110.84 2811.23,110.84 2824.23,97.84 2852.09,97.84 2863.09,86.84 2945.52,86.84 3032,173.32 3032,307.68 3064.16,339.84 3707.7,339.84 IC88.12@3714.15,333.39
  BottomLayer w6: v1@2472,1149.81 2494.13,1149.81 v1(2505.94,1138)
ETH_Rx2: J101.8 PCBM2.J1-17 R376.2 U2.23 | length 4055
  TopLayer w6: J101.8@1150.12,1741.54 J101.8@1150.12,1746 ; J101.8@1154,1746 1154,1750 1198.01,1794.01 1405.12,1794.01 1421.11,1810 2539.89,1810 2634.89,1715 2634.89,1495.76 2623,1483.88 v1(2623,1395) 2623,1370.31 2617.69,1365.01 2617.69,1266 2628.69,1255 2628.69,1227.73 2635.84,1220.58 2635.84,1211.16 2652,1195 2693,1195 2733,1155 2733,1008.9 PCBM2.J1-17@2668.19,944.09 ; U2.23@1852.32,1012.22 1852.32,1051.81 1861.66,1061.16 1875.39,1061.16 1892,1077.77 1892,1105.77 1898.84,1112.61 1898.84,1121.29 1905.56,1128 1905.56,1160.39 1905.12,1160.83 1905.12,1171.82 1943.14,1209.84 2013.4,1209.84 2070,1266.44 2070,1377.23 2074.16,1381.38 2074.16,1396.27 2114.89,1437 2210.97,1437 2222.18,1448.21 2479.45,1448.21 v1(2534,1393.67) ; R376.2@2464.21,601.3 2461.16,604.36 2461.16,861.16 v1(2500,900) ; v1(2547,896) 2553,902 v1(2623,902)
  BottomLayer w6: v1(2500,900) 2543,900 v1(2547,896) ; v1(2534,1393.67) 2621.67,1393.67 v1(2623,1395) ; v1(2623,902) 2665.09,944.09 PCBM2.J1-17@2668.19,944.09
ETH_Rx3: J101.6 PCBM2.J1-23 R378.2 U2.118 | length 2975.9
  TopLayer w6: J101.6@1055,1747 1097,1789 1164.56,1789 1180.56,1805.01 1400.56,1805.01 1416.56,1821 2544.44,1821 2645.89,1719.56 2645.89,1522.25 2707.69,1460.45 2707.69,1427.73 2663.54,1383.59 2651.83,1383.59 2628.69,1360.45 2628.69,1283.59 PCBM2.J1-23@2668.19,1244.09 ; U2.118@2257.83,795.69 2306.96,795.69 2324.55,813.27 2324.55,833.42 2349.81,858.68 2425,858.68 2487,920.68 2487,1063.5 R378.2@2495,1071.5 2513.5,1090 2517.5,1086 v1(2518,1086) ; v1(2591.06,1101.43) 2591.06,1111.11 2607.69,1127.73 2607.69,1161.14 2604,1164.82 v1(2604,1210)
  BottomLayer w6: v1(2518,1086) 2578,1086 2591.06,1099.06 v1(2591.06,1101.43) ; v1(2604,1210) 2626.95,1232.95 2657.05,1232.95 PCBM2.J1-23@2668.19,1244.09
ETH_Tx0: IC86.13 PCBM2.J1-7 R377.1 U2.38 | length 3267.7
  TopLayer w6: U2.38@1651.53,874.43 1653.78,876.68 1728,876.68 1735.68,869 v1(1753,869) ; v1(1896,817) 1886.84,807.84 1886.84,783.08 1881.16,777.39 1881.16,762.61 1894.69,749.07 1894.69,724.23 1908.27,710.66 1908.27,583.73 1938.68,553.32 2020,553.32 2024.17,549.16 2092.55,549.16 2106.39,563 2173,563 2189,547 v1(2190,547) ; v1(2303.57,559) 2434.08,559 2441,552.08 v1(2441,542) ; v1(2488,543) 2488,550.29 R377.1@2502.01,564.3 2502.01,504.49 v1(2509,497.5) ; v1(2508.78,436) 2508.78,411.65 2528.32,392.11 2616.21,392.11 PCBM2.J1-7@2668.19,444.09 2798,314.28 2798,246 2781.68,229.69 2769.54,229.69 2758.16,218.31 2758.16,185.84 2775.16,168.84 ; 2776,168 2775.16,168.84 ; IC86.13@3716.07,905 3537,905 3131.28,499.28 3059.78,499.28 2965.5,404.99 2965.5,306.54 2970,302.04 2970,199 2923.72,152.72 2873.58,152.72 2872.46,153.84 2844.6,153.84 2829.6,168.84 2775.16,168.84
  BottomLayer w6: v1(1753,869) 1796.18,869 1837.16,828.02 1877.44,828.02 1888.47,817 v1(1896,817) ; v1(2190,547) 2206,563 2299.57,563 v1(2303.57,559) ; v1(2441,542) 2487,542 v1(2488,543) ; v1(2508.78,436) 2509,436.22 v1(2509,497.5)
ETH_Tx1: IC88.13 PCBM2.J1-13 R379.1 U2.19 | length 4215.8
  TopLayer w6: U2.19@1915.31,1012.22 1915.31,1097.96 1920.84,1103.5 1920.84,1112.17 1927.56,1118.89 1927.56,1163.15 1952.25,1187.84 2038.29,1187.84 2092,1241.56 2092,1368.11 2096.16,1372.27 2096.16,1387.16 2124,1415 2220.08,1415 2231.3,1426.21 2439.34,1426.21 2483,1382.56 2483,1368.67 2498.42,1353.25 2498.42,1155.71 ; R379.1@2457,1108.5 2459.57,1108.5 2480.06,1129 2480.42,1129 ; IC88.13@3714.15,383.39 3055.7,383.39 3008.5,336.2 3008.5,324.35 3021,311.85 3021,177.88 2940.97,97.84 2867.65,97.84 2854.65,110.84 2826.79,110.84 2815.79,121.84 2734.69,121.84 2691.01,78.16 2482.61,78.16 2480.16,80.61 2480.16,102.39 2489.16,111.39 2489.16,459.37 2498.44,468.66 2520.95,468.66 2543.89,491.6 2599.6,491.6 2628.69,520.69 2628.69,560.45 2637,568.76 2637,574 2652,589 2671,589 2702,620 2702,622.05 2707.69,627.73 2707.69,664.87 2668.19,704.36 PCBM2.J1-13@2668.19,744.09 2623.25,789.03 2619.59,789.03 2614.56,784 2543.23,784 2536.39,777.16 2521.61,777.16 2511.16,787.61 2511.16,802.39 2528.69,819.93 2528.69,887.9 2528.84,888.05 2528.84,911.95 2528.69,912.1 2528.69,960.45 2572.84,1004.6 2584.55,1004.6 2607.69,1027.73 2607.69,1060.45 2584.55,1083.59 2572.84,1083.59 2523.78,1132.65 2523.78,1145.39 2513.33,1155.84 2498.55,1155.84 2498.42,1155.71 ; 2480.42,1129 2488.09,1136.67 ; 2480.42,1129 2481.38,1129 2488.09,1135.71 2488.09,1136.67 ; 2488.09,1136.67 2488.09,1145.39 2498.42,1155.71
ETH_Tx2: J101.7 PCBM2.J1-19 R377.2 U2.22 | length 4054.1
  TopLayer w6: J101.7@1150.12,1641.54 1162.54,1641.54 1200,1679 1200,1774 1209.01,1783.01 1409.68,1783.01 1425.67,1799 2535.33,1799 2623.89,1710.44 2623.89,1500.32 2607.69,1484.12 2607.69,1427.05 2564.23,1383.59 2551.83,1383.59 2528.69,1360.45 ; U2.22@1868.06,1012.22 1868.06,1042.83 1875.39,1050.16 1879.95,1050.16 1903,1073.21 1903,1101.21 1909.84,1108.05 1909.84,1116.73 1916.56,1123.45 1916.56,1164.95 1916.12,1165.39 1916.12,1167.26 1947.7,1198.84 2017.96,1198.84 2081,1261.89 2081,1372.67 2085.16,1376.83 2085.16,1391.72 2119.45,1426 2215.53,1426 2226.74,1437.21 2443.9,1437.21 2494,1387.11 2494,1373.22 2506.77,1360.45 2528.69,1360.45 ; v1(2479,797) 2479,788.65 2502.01,765.65 R377.2@2502.01,601.3 ; v1(2529,795) 2610,795 2621.84,806.84 2621.84,875.61 2640.84,894.61 2640.84,909.39 2621.84,928.39 2621.84,997.74 PCBM2.J1-19@2668.19,1044.09 2668.19,1088.24 2628.69,1127.73 2628.69,1162.31 2618,1173 2618,1198.77 2621.84,1202.61 2621.84,1219.03 2607.69,1233.18 2607.69,1260.45 2563.54,1304.6 2551.83,1304.6 2528.69,1327.73 2528.69,1360.45
  BottomLayer w6: v1(2479,797) 2481,795 v1(2529,795)
ETH_Tx3: J101.5 PCBM2.J1-25 R379.2 U2.119 | length 3209.8
  TopLayer w6: J101.5@1050.12,1641.54 1050.12,1645.88 1001,1695 1001,1769 1032,1800 1160,1800 1176.01,1816.01 1396.01,1816.01 1412,1832 2550,1832 2601,1781 ; U2.119@2257.83,811.43 2299.84,811.43 2313.55,825.15 2313.55,837.98 2345.25,869.68 2416.68,869.68 2473.62,926.62 2473.62,1054.87 R379.2@2457,1071.5 2455.82,1071.5 2436.8,1090.52 2436.8,1123.44 2437,1123.64 2437,1290 v1(2457,1310) ; 2600.5,1780.5 2656.89,1724.11 2656.89,1554.65 2718.69,1492.85 2718.69,1423.18 2710,1414.49 2710,1385.9 PCBM2.J1-25@2668.19,1344.09
  BottomLayer w6: v1(2457,1310) 2462.4,1304.6 2628.69,1304.6 PCBM2.J1-25@2668.19,1344.09